# KiCad board Marble.kicad_pcb (continued)
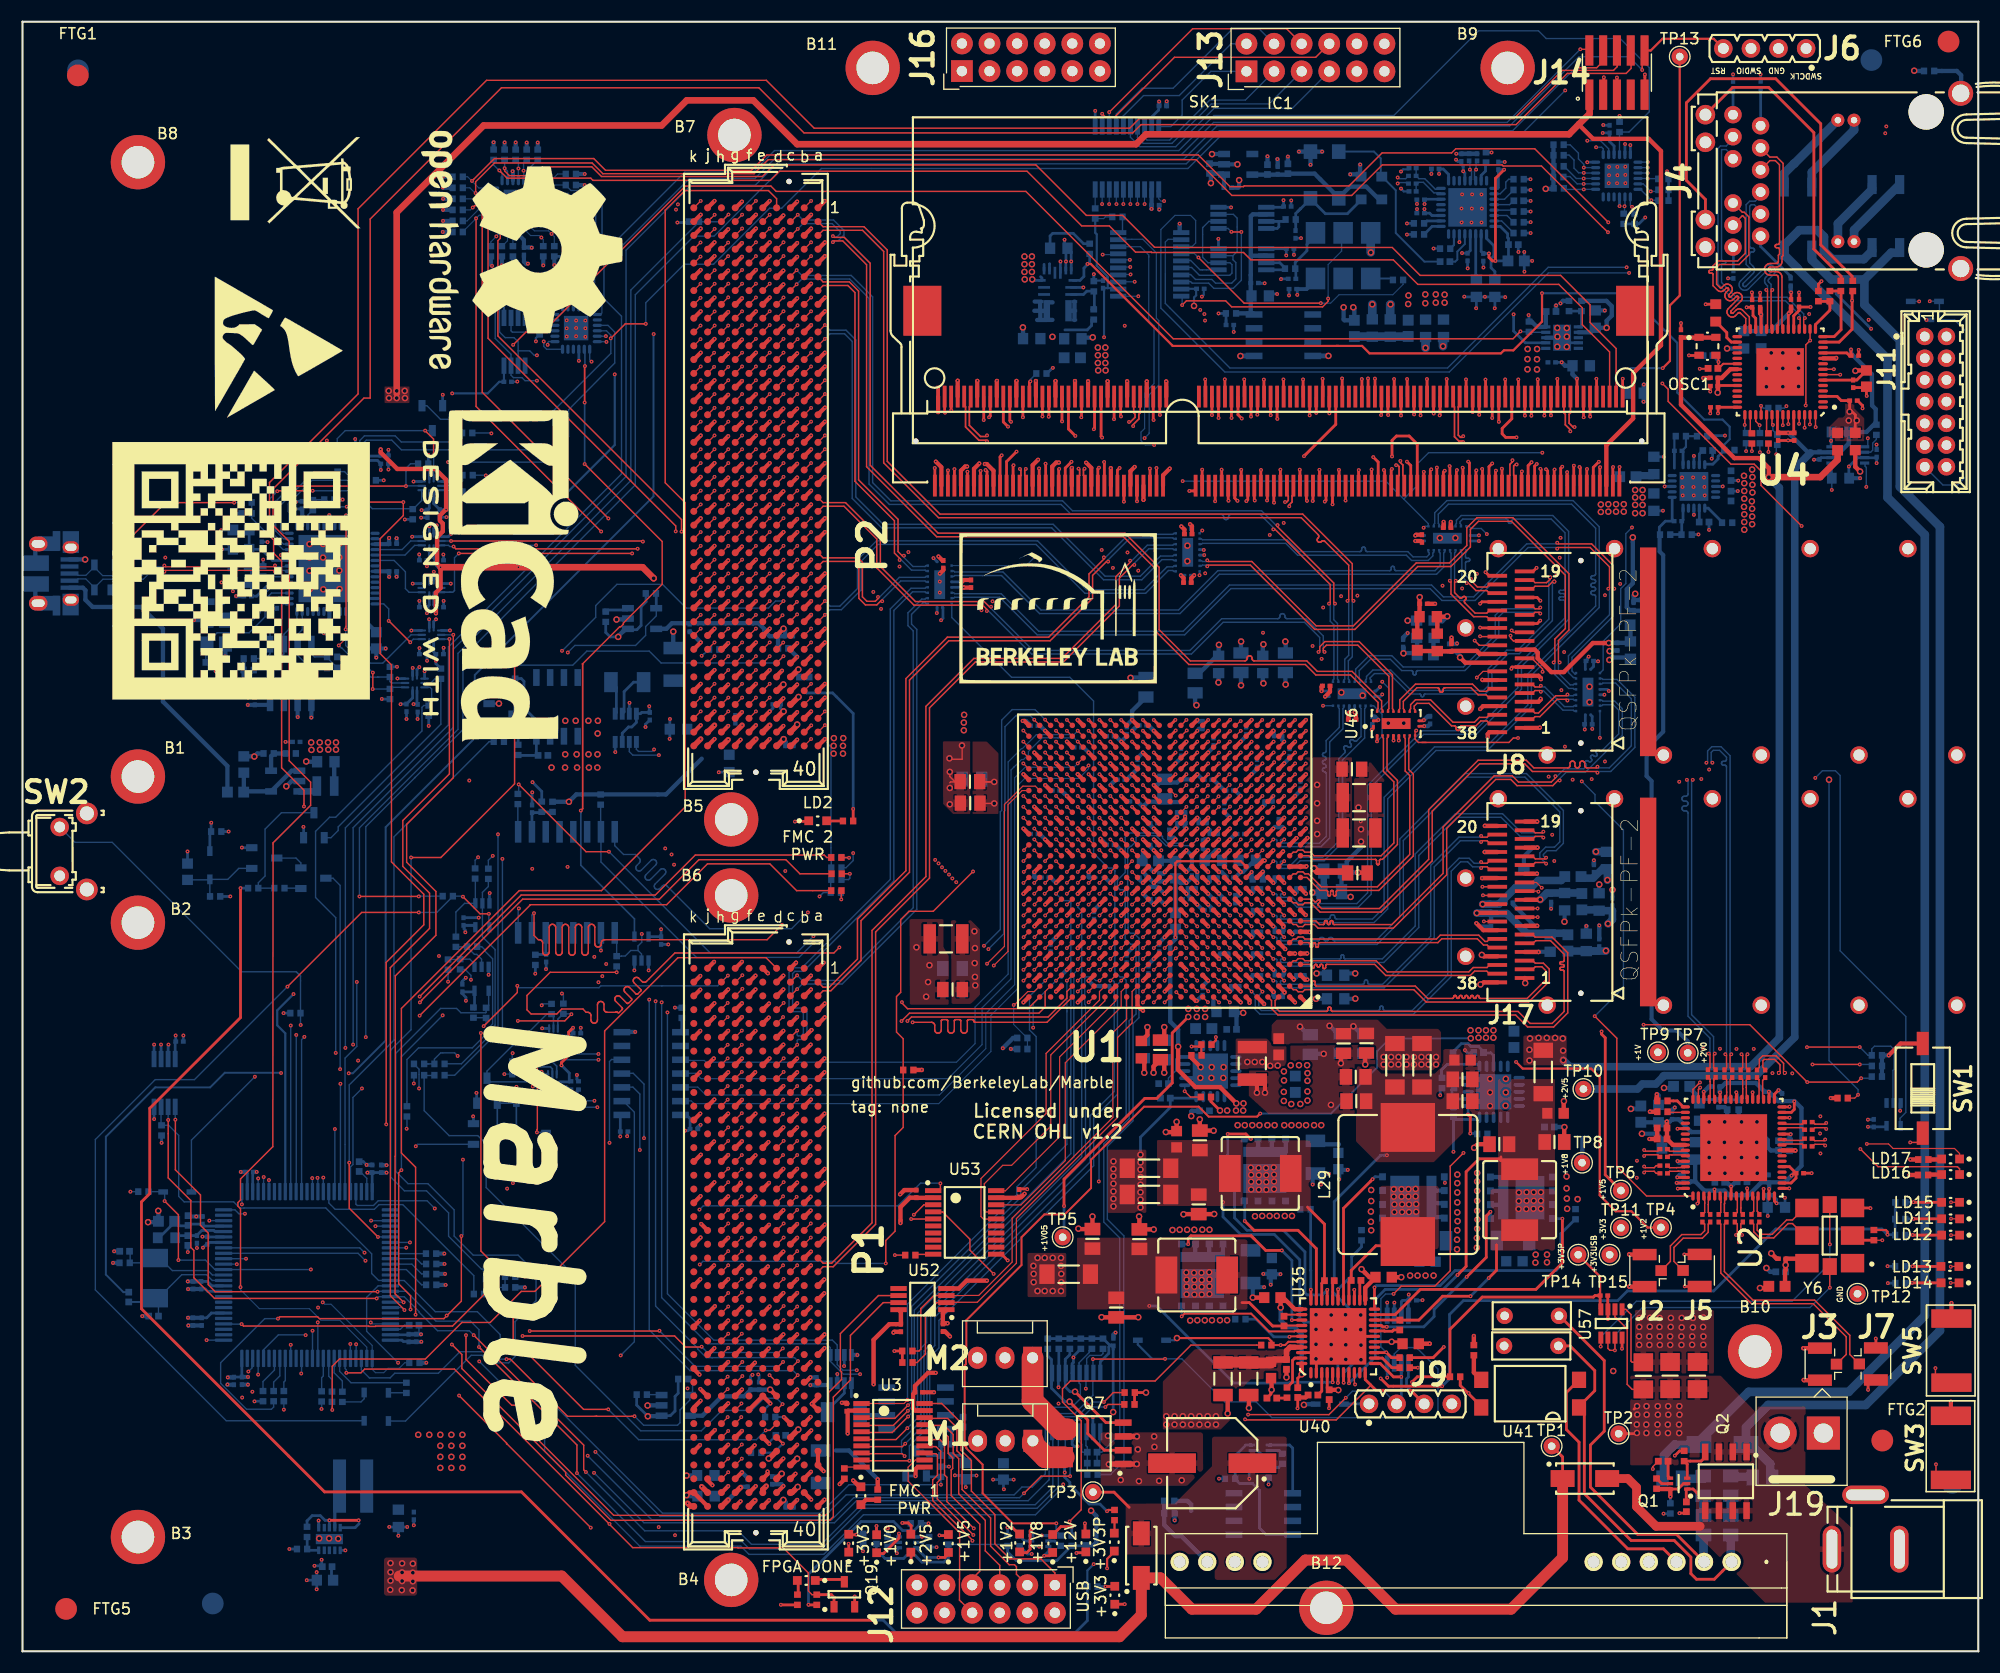
[diagram p0: board, top side]
## Routing (per net, layer and track width the routed paths; a pad name or vN(x,y) marks a point on that pad's centre or on a via; arc(x,y) is an arc through that point) (continued)
FMC2_LA_17_N: length 64
  Top w0.11: U1.F23 v1(95.12,64.73)
  Top w0.112: P2.D21 v1(70.04,108.11)
  In4.Cu w0.1: v1(95.12,64.73) 95.34,64.95 95.34,65.04 95.3,65.08 94.82,65.08 94.47,65.44 94.47,65.89 94.27,66.08 93.31,66.08 91.6,66.09 90.35,67.34 90.35,73.52 87.8,76.07 81.62,76.07 81.12,76.57 81.12,88.91 75.53,94.49 75.53,107 73.94,108.6 70.53,108.6 v1(70.04,108.11)
FMC2_LA_17_P: length 64.5
  Top w0.11: U1.G22 v1(96.12,65.73)
  Top w0.112: P2.D20 v1(70.04,109.38)
  In4.Cu w0.1: v1(96.12,65.73) 95.76,65.37 94.94,65.37 94.76,65.56 94.76,66.01 94.39,66.37 93.43,66.37 91.72,66.38 90.64,67.46 90.64,73.64 87.92,76.36 81.74,76.36 81.41,76.69 81.41,89.03 75.82,94.61 75.82,107.12 74.06,108.89 70.53,108.89 v1(70.04,109.38)
FMC2_LA_18_N: length 59.4
  Top w0.11: U1.F24 v1(94.12,64.73)
  Top w0.112: P2.C23 v1(71.31,105.57)
  In4.Cu w0.1: v1(94.12,64.73) 93.76,65.09 90.85,65.09 89.15,66.78 89.15,72.94 87.32,74.78 81.11,74.78 79.84,76.05 79.84,87.01 74.4,92.45 74.4,105.5 73.85,106.06 71.8,106.06 v1(71.31,105.57)
FMC2_LA_18_P: length 59.4
  Top w0.11: v1(94.12,65.73) 94.12,65.73 U1.G24
  Top w0.112: P2.C22 v1(71.31,106.84)
  In4.Cu w0.1: v1(71.31,106.84) 71.8,106.35 73.97,106.35 74.69,105.62 74.69,92.57 80.13,87.13 80.13,76.17 81.23,75.07 87.44,75.07 89.44,73.06 89.44,66.9 90.97,65.38 93.76,65.38 v1(94.12,65.73)
FMC2_LA_19_N: length 64.5
  Top w0.11: U1.J23 v1(95.12,67.73)
  Top w0.112: P2.H23 v1(64.96,105.57)
  In2.Cu w0.1: v1(95.12,67.73) 94.76,68.09 85.25,68.09 78.87,74.47 78.11,74.47 75.41,77.17 75.41,79.57 76.25,80.41 76.25,84.6 74.39,86.46 74.39,105.44 73.77,106.06 65.45,106.06 v1(64.96,105.57)
FMC2_LA_19_P: length 64.5
  Top w0.11: U1.K23 v1(95.12,68.73)
  Top w0.112: P2.H22 v1(64.96,106.84)
  In2.Cu w0.1: v1(95.12,68.73) 94.76,68.38 85.37,68.38 78.99,74.76 78.23,74.76 75.7,77.29 75.7,79.45 76.54,80.29 76.54,84.72 74.68,86.58 74.68,105.56 73.89,106.35 65.45,106.35 v1(64.96,106.84)
FMC2_LA_20_N: length 63.1
  Top w0.11: v1(96.12,68.73) 96.12,68.73 U1.K22
  Top w0.112: P2.G22 v1(66.23,106.84)
  In2.Cu w0.1: v1(66.23,106.84) 66.72,107.33 74.11,107.33 75.31,106.13 75.31,87.32 77.33,85.29 77.33,77.82 86.06,69.09 95.76,69.09 v1(96.12,68.73)
FMC2_LA_20_P: length 63.1
  Top w0.11: v1(96.12,69.73) 96.12,69.73 U1.L22
  Top w0.112: P2.G21 v1(66.23,108.11)
  In2.Cu w0.1: v1(96.12,69.73) 95.76,69.38 86.18,69.38 77.62,77.94 77.62,85.41 75.6,87.44 75.6,106.25 74.23,107.62 66.72,107.62 v1(66.23,108.11)
FMC2_LA_21_N: length 62
  Top w0.11: U1.H22 v1(96.12,66.73)
  Top w0.112: P2.H26 v1(64.96,101.76)
  In7.Cu w0.1: v1(64.96,101.76) 65.45,102.25 73.85,102.25 77.41,98.69 77.41,88.12 79.23,86.31 79.23,77.41 81.45,75.19 81.45,74.23 85.59,70.09 91.81,70.09 91.82,70.09 91.83,70.09 91.84,70.09 94.41,70.09 94.41,70.09 94.83,70.09 94.83,70.09 95.41,70.09 95.41,70.09 96.27,70.09 96.47,69.89 96.47,67.08 v1(96.12,66.73)
FMC2_LA_21_P: length 61.9
  Top w0.11: U1.J21 v1(97.12,67.73)
  Top w0.112: P2.H25 v1(64.96,103.03)
  In7.Cu w0.1: v1(64.96,103.03) 65.45,102.54 73.97,102.54 77.7,98.81 77.7,88.24 79.52,86.43 79.52,77.53 81.74,75.31 81.74,74.35 85.71,70.38 91.69,70.38 91.7,70.38 91.95,70.38 91.96,70.38 94.29,70.38 94.29,70.38 94.95,70.38 94.95,70.38 95.29,70.38 95.29,70.38 96.39,70.38 96.76,70.01 96.76,67.61 96.85,67.52 96.91,67.52 v1(97.12,67.73)
FMC2_LA_22_N: length 64.9
  Top w0.11: U1.D25 v1(93.12,62.73)
  Top w0.112: P2.G25 v1(66.23,103.03)
  In2.Cu w0.1: v1(93.12,62.73) 92.76,63.09 90.73,63.09 88.07,60.43 84.58,60.43 84.24,60.76 82.52,60.76 79.16,64.13 79.16,64.47 70.43,73.19 70.43,82.34 69.27,83.51 69.27,84.32 69.06,84.53 67.11,84.53 66.77,84.87 66.77,103.46 66.71,103.52 66.33,103.52 66.23,103.41 v1(66.23,103.03)
FMC2_LA_22_P: length 64.9
  Top w0.11: U1.E25 v1(93.12,63.73)
  Top w0.112: P2.G24 v1(66.23,104.3)
  In2.Cu w0.1: v1(93.12,63.73) 92.76,63.38 90.61,63.38 87.95,60.72 84.7,60.72 84.36,61.05 82.64,61.05 79.45,64.25 79.45,64.59 70.72,73.31 70.72,82.46 69.56,83.63 69.56,84.44 69.18,84.82 67.23,84.82 67.06,84.99 67.06,103.58 66.83,103.81 66.33,103.81 66.23,103.9 v1(66.23,104.3)
FMC2_LA_23_N: length 58.3
  Top w0.11: U1.H24 v1(94.12,66.73)
  Top w0.112: P2.D24 v1(70.04,104.3)
  In2.Cu w0.1: v1(70.04,104.3) 70.53,104.79 72.74,104.79 73.07,104.45 73.07,83.66 73.4,83.34 73.4,79.4 73.95,78.85 73.95,76.58 83.44,67.08 94.27,67.08 94.49,66.86 94.49,66.76 94.46,66.73 v1(94.12,66.73)
FMC2_LA_23_P: length 58.7
  Top w0.11: U1.H23 v1(95.12,66.73)
  Top w0.112: P2.D23 v1(70.04,105.57)
  In2.Cu w0.1: v1(95.12,66.73) 94.79,66.73 94.72,66.8 94.72,67.05 94.39,67.37 83.56,67.37 74.24,76.7 74.24,78.97 73.69,79.52 73.69,83.46 73.36,83.78 73.36,104.57 72.86,105.08 70.53,105.08 v1(70.04,105.57)
FMC2_LA_24_N: length 55.1
  Top w0.11: U1.J25 v1(93.12,67.73)
  Top w0.112: P2.H29 v1(64.96,97.95)
  In7.Cu w0.1: v1(64.96,97.95) 65.45,98.44 73.99,98.44 75.44,96.98 75.44,86.65 77.1,84.98 77.1,76.44 79.34,74.2 79.34,73.13 84.38,68.09 93.29,68.09 93.47,67.9 93.47,67.79 93.41,67.73 v1(93.12,67.73)
FMC2_LA_24_P: length 55.6
  Top w0.11: U1.J24 v1(94.12,67.73)
  Top w0.112: P2.H28 v1(64.96,99.22)
  In7.Cu w0.1: v1(64.96,99.22) 65.45,98.73 74.11,98.73 75.73,97.1 75.73,86.77 77.39,85.1 77.39,76.56 79.63,74.32 79.63,73.25 84.5,68.38 93.41,68.38 93.76,68.02 93.76,67.79 93.83,67.73 v1(94.12,67.73)
FMC2_LA_25_N: length 66.7
  Top w0.11: U1.D24 v1(94.12,62.73)
  Top w0.112: P2.G28 v1(66.23,99.22)
  In2.Cu w0.1: v1(66.23,99.22) 66.23,99.6 66.12,99.71 65.87,99.71 65.71,99.55 65.71,83.5 66.51,82.71 68.9,82.71 69.45,82.16 69.45,70.57 70.1,69.92 72.08,69.92 82.89,59.11 87.67,59.11 89.94,61.37 94.38,61.37 94.47,61.47 94.47,62.38 v1(94.12,62.73)
FMC2_LA_25_P: length 68.2
  Top w0.11: U1.D23 v1(95.12,62.73)
  Top w0.112: P2.G27 v1(66.23,100.49)
  In2.Cu w0.1: v1(66.23,100.49) 66.23,100.1 66.12,100 65.75,100 65.42,99.67 65.42,83.38 66.39,82.42 68.78,82.42 69.16,82.04 69.16,70.45 69.98,69.63 71.96,69.63 82.77,58.82 87.79,58.82 90.06,61.08 94.5,61.08 94.76,61.35 94.76,62.38 v1(95.12,62.73)
FMC2_LA_26_N: length 55.1
  Top w0.11: 92.61,64.23 92.13,63.74
  Top w0.112: P2.D27 v1(70.04,100.49)
  In2.Cu w0.1: v1(70.04,100.49) 70.04,100.88 70.13,100.98 70.32,100.98 70.55,100.75 70.55,83.56 71.29,82.83 71.29,77.49 71.87,76.91 71.87,73.93 81.91,63.89 89.41,63.89 89.61,64.09 92.31,64.09 92.35,64.05 92.35,63.96 92.13,63.74
  vias: v1(92.13,63.73)
FMC2_LA_26_P: length 55.5
  Top w0.11: v1(93.14,64.73) 93.62,65.21 93.62,65.24
  Top w0.112: P2.D26 v1(70.04,101.76)
  In2.Cu w0.1: v1(93.14,64.73) 92.78,64.38 89.49,64.38 89.29,64.18 82.03,64.18 72.16,74.05 72.16,77.03 71.58,77.61 71.58,82.95 70.82,83.71 70.82,100.98 v1(70.04,101.76)
FMC2_LA_27_N: length 57.7
  Top w0.11: U1.G21 v1(97.12,65.73)
  Top w0.112: P2.C27 v1(71.31,100.49)
  In2.Cu w0.1: v1(97.12,65.73) 96.76,66.09 89.89,66.09 89.24,65.43 83.17,65.43 76.47,72.12 75.61,72.12 73.02,74.71 73.02,77.72 72.29,78.45 72.29,83.12 71.78,83.62 71.78,87.5 71.9,87.62 71.9,90.59 71.78,90.71 71.78,100.83 71.64,100.98 71.41,100.98 71.31,100.87 v1(71.31,100.49)
FMC2_LA_27_P: length 57.7
  Top w0.11: U1.H21 v1(97.12,66.73)
  Top w0.112: P2.C26 v1(71.31,101.76)
  In2.Cu w0.1: v1(97.12,66.73) 96.76,66.38 89.77,66.38 89.12,65.72 83.29,65.72 76.59,72.41 75.73,72.41 73.31,74.83 73.31,77.84 72.58,78.57 72.58,83.24 72.07,83.74 72.07,87.38 72.19,87.5 72.19,90.71 72.07,90.83 72.07,100.95 71.76,101.27 71.42,101.27 71.31,101.38 v1(71.31,101.76)
FMC2_LA_28_N: length 53.1
  Top w0.11: 92.64,66.24 92.64,66.23 v1(92.14,65.73)
  Top w0.112: P2.H32 v1(64.96,94.14)
  In7.Cu w0.1: v1(92.14,65.73) 92.4,65.73 92.49,65.82 92.49,65.92 92.33,66.08 89.03,66.08 88.41,65.46 84.03,65.46 77.32,72.17 75.94,72.17 73.71,74.41 73.71,81.12 73.07,81.76 73.07,93.07 72.82,93.31 67.19,93.31 66.76,93.74 66.76,94.21 66.35,94.63 65.45,94.63 v1(64.96,94.14)
FMC2_LA_28_P: length 53.6
  Top w0.11: v1(93.14,65.73) 93.64,66.23 93.64,66.24
  Top w0.112: P2.H31 v1(64.96,95.41)
  In7.Cu w0.1: v1(64.96,95.41) 65.45,94.92 66.47,94.92 67.05,94.33 67.05,93.86 67.31,93.6 72.95,93.6 73.36,93.19 73.36,81.88 74,81.24 74,74.53 76.06,72.46 77.44,72.46 84.15,65.75 88.29,65.75 88.91,66.37 92.45,66.37 92.78,66.04 92.78,65.78 92.83,65.73 v1(93.14,65.73)
FMC2_LA_29_N: length 50.5
  Top w0.11: 92.62,67.21 92.61,67.21 v1(92.13,66.73)
  Top w0.112: P2.G31 v1(66.23,95.41)
  In7.Cu w0.1: v1(92.13,66.73) 91.77,67.08 83.85,67.08 75.74,75.19 75.74,80.98 76.14,81.38 76.14,84.54 74.56,86.12 74.56,92.99 74.12,93.43 73.61,93.43 73.16,93.88 73.16,94.4 72.87,94.69 68.26,94.69 67.89,95.06 67.89,95.62 67.62,95.9 66.72,95.9 v1(66.23,95.41)
FMC2_LA_29_P: length 50.5
  Top w0.11: 92.61,68.22 v1(92.13,67.73)
  Top w0.112: P2.G30 v1(66.23,96.68)
  In7.Cu w0.1: v1(92.13,67.73) 91.77,67.37 83.97,67.37 76.03,75.31 76.03,80.86 76.43,81.26 76.43,84.66 74.85,86.24 74.85,93.11 74.24,93.72 73.73,93.72 73.45,94 73.45,94.52 72.99,94.98 68.38,94.98 68.18,95.18 68.18,95.74 67.74,96.19 66.72,96.19 v1(66.23,96.68)
FMC2_LA_30_N: length 50.4
  Top w0.11: v1(92.13,61.73) 92.6,62.21 92.62,62.21
  Top w0.112: P2.H35 v1(64.96,90.33)
  In7.Cu w0.1: v1(92.13,61.73) 91.77,62.08 88.53,62.08 88.05,62.56 86.01,62.56 85.68,62.23 82.89,62.23 71.54,73.59 71.54,77.72 70.59,78.68 70.59,90.08 69.85,90.82 65.45,90.82 v1(64.96,90.33)
FMC2_LA_30_P: length 50.1
  Top w0.11: 92.62,63.22 v1(92.13,62.73)
  Top w0.112: P2.H34 v1(64.96,91.6)
  In7.Cu w0.1: v1(64.96,91.6) 65.45,91.11 69.97,91.11 70.82,90.26 70.82,78.85 71.83,77.84 71.83,73.71 83.01,62.52 85.56,62.52 85.89,62.85 88.17,62.85 88.29,62.73 v1(92.13,62.73)
FMC2_LA_31_N: length 55.6
  Top w0.11: U1.E22 v1(96.12,63.73)
  Top w0.112: P2.G34 v1(66.23,91.6)
  In7.Cu w0.1: v1(96.12,63.73) 96.47,64.09 96.47,64.98 96.37,65.09 91.18,65.09 90,63.91 83.87,63.91 76.97,70.82 75.9,70.82 72.58,74.14 72.58,78.56 71.8,79.34 71.8,87.52 71.9,87.62 71.9,90.59 71.8,90.69 71.8,91.8 71.52,92.09 66.72,92.09 v1(66.23,91.6)
FMC2_LA_31_P: length 56.1
  Top w0.11: U1.E21 v1(97.12,63.73)
  Top w0.112: P2.G33 v1(66.23,92.87)
  In7.Cu w0.1: v1(66.23,92.87) 66.72,92.38 71.64,92.38 72.09,91.92 72.09,90.81 72.19,90.71 72.19,87.5 72.09,87.4 72.09,79.46 72.87,78.68 72.87,74.26 76.02,71.11 77.09,71.11 83.99,64.2 89.88,64.2 91.06,65.38 96.49,65.38 96.76,65.1 96.76,64.09 v1(97.12,63.73)
FMC2_LA_32_N: length 55.7
  Top w0.11: 98.63,60.24 98.62,60.24 v1(98.12,59.74)
  Top w0.112: P2.H38 v1(64.96,86.52)
  In7.Cu w0.1: v1(98.12,59.74) 97.77,60.09 89.84,60.09 89.09,59.35 82.05,59.35 72.44,68.95 70.62,68.95 68.58,70.98 68.58,82.51 68.07,83.02 68.07,86.53 67.6,87.01 65.45,87.01 v1(64.96,86.52)
FMC2_LA_32_P: length 55.7
  Top w0.11: v1(98.12,60.74) 98.62,61.24 98.63,61.24
  Top w0.112: P2.H37 v1(64.96,87.79)
  In7.Cu w0.1: v1(64.96,87.79) 65.45,87.3 67.72,87.3 68.36,86.65 68.36,83.14 68.87,82.63 68.87,71.1 70.74,69.24 72.56,69.24 82.17,59.64 88.97,59.64 89.72,60.38 94.95,60.38 94.95,60.38 97.77,60.38 v1(98.12,60.74)
FMC2_LA_33_N: length 52.9
  Top w0.11: U1.B21 97.13,60.74 v1(97.12,60.74)
  Top w0.112: v1(66.23,87.79) P2.G37 65.59,87.18
  In7.Cu w0.1: v1(97.12,60.74) 96.77,61.09 89.3,61.09 88.56,60.35 85.68,60.35 85.24,60.8 82.38,60.8 74.78,68.39 74.78,68.82 69.77,73.82 69.77,82.85 69.28,83.34 69.28,87.9 68.91,88.28 66.72,88.28 v1(66.23,87.79)
FMC2_LA_33_P: length 52.9
  Top w0.11: U1.C21 v1(97.12,61.73)
  Top w0.112: v1(66.23,89.06) P2.G36 65.62,88.42
  In7.Cu w0.1: v1(66.23,89.06) 66.72,88.57 69.03,88.57 69.57,88.02 69.57,83.46 70.06,82.97 70.06,73.94 75.07,68.94 75.07,68.51 82.5,61.09 85.36,61.09 85.8,60.64 88.44,60.64 89.18,61.38 96.77,61.38 v1(97.12,61.73)
MGTAVCC: length 33.2
  Top w0.254: v1(95.86,40.99) 95.86,43.46 103.29,50.89 104.39,50.89 105.81,52.31 105.81,56.91 v2(107.29,58.39)
  Top w0.381: U1.G6 v1(113.12,65.73) ; U1.L6 v1(113.12,69.73) ; U1.J6 v1(113.12,67.73) ; v1(113.1,61.73) 113.1,61.75 U1.C6 ; v1(113.04,63.77) 113.04,63.81 U1.E6
  Bottom w0.254: TP5.1 95.86,38.24 v1(95.86,40.99)
  Bottom w0.381: C219.1 113.27,67.88 v1(113.12,67.73) ; v1(113.12,69.73) 113.27,69.88 C381.1 ; v1(113.12,65.73) 113.27,65.88 C4.1 ; C217.1 113.27,64 v1(113.04,63.77) ; v1(113.1,61.73) 113.1,62.07 C221.1
  Bottom w0.4: 109.87,58.77 109.87,58.83 109.6,59.1 109.6,59.91
  vias: v2(107.29,59.13) v2(108.08,59.13) v2(108.08,58.39) v2(108.84,59.13) v2(108.84,58.39)
MGTAVTT: length 99.4
  Top w0.178: v1(113.91,49.5) 113.63,49.22 109.17,49.22 108.25,50.13 103.22,50.13 98.35,45.25 98.35,42.64 95.92,40.21 94.04,40.21 91.95,38.12 91.95,35.56 86.87,30.48 86.87,27.64 86.83,27.6 86.83,26.43 86.71,26.32 86.71,18.92 86.87,18.77 86.87,18.68 88.36,17.19 88.36,14.54 91.13,11.78 v1(95.15,11.78)
  Top w0.381: U1.M3 v1(116.12,70.73) ; U1.L2 v1(117.12,69.73) ; U1.D3 116.12,62.73 116.12,62.7 v1(116.1,62.68) ; U1.G2 116.64,66.23 v1(116.87,65.99) ; U1.M5 113.87,71.48 113.87,71.48 114.13,71.74 ; v1(116.15,60.64) 116.15,60.7 U1.B3 ; U1.H3 116.05,66.8 v1(116.05,66.68) ; U1.C2 117,61.85 v1(117,61.83)
  Bottom w0.178: v1(95.15,11.78) 95.15,11.05 R253.1 ; v2(133.29,56.42) 125.85,56.42 124.67,55.25 124.67,53.74 120.43,49.5 v1(113.91,49.5)
  Bottom w0.381: v1(116.12,70.73) 115.97,70.88 C380.1 ; v1(117.12,69.73) 117.27,69.88 C234.1 ; v1(116.87,65.99) 117.11,66.23 C232.1 ; C225.1 v2(119.05,60.06) ; v1(117,61.83) 117.27,62.1 C230.1 ; 120.05,62.4 v2(119.1,62.4)
  Bottom w0.4: C236.1 115.97,60.45 v1(116.15,60.64) ; C238.1 116.1,62.36 v1(116.1,62.68) ; v1(114.16,71.77) 114.16,71.77 R161.2 ; C228.1 116.05,66.31 v1(116.05,66.68)
  vias: v2(133.27,57.16) v2(134,57.16) v2(134,56.47) v2(134.69,57.16) v2(134.69,56.47) v2(135.38,57.16) v2(135.38,56.47)
VTT_DDR3: length 35.7
  Top w0.2: TP13.1 152.52,124.79 151.62,123.89 151.62,118.77 v1(150.96,118.11)
  Top w0.254: SK1.204 147.27,117.12 v1(147.28,117.14) ; v1(146.99,109.01) 146.97,108.99 SK1.203
  Bottom w0.2: v1(150.96,118.11) 147.99,118.11
Net-(C28-Pad1): length 5.1
  Top w0.4: L19.2 162.22,35.04 162.27,35.09 v2(162.27,35.55) 162.27,36.11 C29.1 163.82,36.13 Y6.6
  Bottom w0.4: v2(162.27,35.55) 162.27,35.09
Net-(C38-Pad1): length 3.7
  Bottom w0.254: R225.2 47.8,77.26 R224.2 47.72,77.2 C38.1 46.89,77.19 U30.2
Net-(C39-Pad1): length 3
  Bottom w0.254: R227.2 47.24,64.15 C39.1 48.16,64.18 U30.14
Net-(C42-Pad2): length 16.7
  Top w0.254: C48.1 164.56,123.74 v1(164.56,123.74) ; 159.27,123.69 159.27,122.94 159.52,122.69 U4.26 ; U4.3 167,115.51 167.4,115.12 C46.1 168.16,114.33 168.69,113.8 168.69,113.33 168.68,113.32 C42.2 ; U4.19 163.02,122.93 163.51,123.42 163.51,123.56 ; 156.04,116.52 156.04,116.51 U4.38 ; C52.1 158.68,123.71 v1(158.68,123.71)
  Top w0.4: U4.35 157.18,118.01 156.37,117.2 156.04,117.2 156.04,115.88 v2(156.02,115.86)
  vias: v2(168.08,113.29) v2(168.16,114.11) v2(168.82,113.29)
Net-(C47-Pad2): length 11.2
  Top w0.254: U4.20 162.52,123.1 v1(162.57,123.16) ; 162.72,123.68 C51.1 ; U4.25 160.02,122.88 160,122.89 v1(160,123.07) 160,123.69
  Top w0.4: C51.1 162.77,123.35 v1(162.57,123.16) ; v1(160,123.07) 159.92,123.15 C49.1
  Bottom w0.4: C47.2 160.02,123.06 v1(160,123.07) ; C47.2 160,121.52 L4.2 ; C47.2 160.95,121.53 v1(162.57,123.16)
Net-(C58-Pad1): length 2.4
  Bottom w0.254: J4.7 157.43,141.45 C58.1
Net-(C59-Pad1): length 3.4
  Bottom w0.254: J4.1 159.97,140.43 C59.1
Net-(C60-Pad1): length 5.1
  Bottom w0.254: 162.71,126.57 159.97,129.31 J4.6 160.13,130.11
  Bottom w0.4: 162.71,126.52 162.71,126.57
Net-(C71-Pad2): length 3.8
  Bottom w0.2: C71.2 153.1,110.87 R69.2 R68.1
  Bottom w0.254: U47.16 152.83,110.4 C71.2
Net-(C73-Pad1): length 1.4
  Bottom w0.254: U47.19 154.33,110.21 C73.1
Net-(C75-Pad2): length 3.7
  Bottom w0.254: U47.10 152.83,104.15 C75.2 152.71,104.02 152.71,102.81 151.58,102.81 151.5,102.88
Net-(C77-Pad2): length 1.3
  Bottom w0.254: U47.7 154.33,103.96 C77.2
Net-(C93-Pad1): length 10.4
  Bottom w0.127: 12.19,36.26 11.69,35.75 9.92,35.75 9.9,35.77 9.9,36.82 ; U54.13 17.47,34.64 17.07,35.04 13.79,35.04 12.38,36.45
Net-(C102-Pad1): length 11.7
  Bottom w0.127: 12.37,32.38 14.65,34.66 16.94,34.66 17.46,34.14 U54.12 ; 11.79,32.15 12.19,32.56 12.51,32.23 C92.1
  Bottom w0.178: C102.1 11.79,32.15
Net-(C106-Pad1): length 14.4
  Bottom w0.4: U19.2 113.23,132.27 113.04,132.09 113.04,126.68 113.04,126.67 113.04,123.03
  Bottom w0.402: 114.48,128.47 U16.2 114.26,128.46 114.26,128.46 113.04,128.46 ; 113.76,123.05 U14.8 113.25,123.15 R58.1 ; 113.11,124.95 113.33,124.73
Net-(C107-Pad1): length 13.8
  Bottom w0.402: U13.5 116.37,135.92 C107.1 118.92,136.02 121.14,133.8 ; 121.14,133.8 Y2.4 ; 121.14,133.8 122.17,134.82 123.67,134.82 125.01,133.49 125.01,133.45
Net-(C111-Pad1): length 5
  Bottom w0.802: L12.1 127.52,121.01 L11.2
Net-(C114-Pad1): length 16.7
  Bottom w0.178: Y2.3 124.38,138.05 125.01,137.42 125.01,135.87 126.39,134.48 126.39,130.55 129.02,127.92 C114.1
Net-(C114-Pad2): length 3.4
  Bottom w0.178: U20.21 132.75,129.54 132.06,128.85 132.06,128.11 131.86,127.92 C114.2
Net-(C120-Pad1): length 4.2
  Bottom w0.254: C120.1 133.75,126.33 U20.19
Net-(C121-Pad1): length 4.7
  Bottom w0.254: U20.17 134.75,130.05 135.41,129.38 135.41,128.43 135.16,128.18 135.16,127.35 135.51,127 C121.1
Net-(C123-Pad1): length 20
  Top w0.254: v1(134.97,128.67) 134.97,128.31 135.29,127.98 v1(135.56,127.98) 135.56,135.58 v1(136.36,136.38)
  Bottom w0.254: U20.16 136,131.16 136.68,130.48 136.68,130.13 136.76,130.05 C123.1 136.76,128.03 L26.1 v1(135.56,127.98) ; U20.9 135.75,134.66 135.83,134.74 C210.1 136.36,136.38 v1(136.36,136.38) ; v1(134.97,128.67) 134.96,128.66 C126.1 134.25,128.86 U20.18
Net-(C127-Pad1): length 12.8
  Top w0.254: U35.4 120.08,24.25 C140.1 ; C127.1 126.83,28.49 U35.16
  Top w0.4: v2(121.1,24.04) 121.08,24.07 C140.1
  In2.Cu w0.4: v2(126.01,28.49) 126.01,26.94 123.11,24.04 v2(121.1,24.04)
Net-(C128-Pad1): length 14
  Top w0.254: 153.12,13.62 153.12,14.84 Q1.1 153.75,14.93 154.26,14.43
  Top w0.8: D4.2 147.74,15.9 148.55,15.09 148.55,13.31 150.35,11.51 154.41,11.51
Net-(C129-Pad1): length 132.7
  Top w0.254: D4.1 141.74,17.89 140.75,18.88 ; 140.74,18.56 140.84,18.56
  Top w1: D4.1 141.74,8.62 137,3.88 126.37,3.88 121.85,8.4 118.06,8.4 113.54,3.88 107.62,3.88 104.74,6.75 D12.1 102.97,3.34 100.96,1.34 55.22,1.34 49.63,6.92 34.67,6.92
  Bottom w0.254: 28.44,7.86 28.44,6.69 C129.1
  vias: v2(33.87,8.12) v2(33.87,7.28) v2(33.87,6.49) v2(33.84,5.65) v2(34.93,8.09) v2(34.93,7.25) v2(34.93,6.47) v2(34.91,5.63) v2(35.93,8.07) v2(35.93,7.23) v2(35.93,6.44) v2(35.9,5.6)
Net-(C134-Pad2): length 3.6
  Bottom w0.254: C134.2 86.38,20.46 Q16.4 85.37,20.46 85.51,20.32 R213.2
Net-(C135-Pad2): length 3.7
  Bottom w0.254: Q23.4 47.29,82.62 C135.2 45.65,82.46 R214.2
Net-(C138-Pad2): length 2.2
  Top w0.254: C138.2 119.58,23.95 U35.3
Net-(C143-Pad1): length 31.7
  Top w0.2: v1(137.46,54.24) 138.07,53.64 144.37,53.64 145.16,52.85 145.16,41.98 146.63,40.5 148.08,40.5 149.58,39 TP4.1
  Bottom w0.13: 135.41,54.14 135.33,54.21
  Bottom w0.254: 131.65,55.16 132.42,55.93 133.04,55.93 133.31,55.67 134.02,55.67 134.47,55.22 134.47,55.09 135.15,55.09 135.39,54.84 U36.18
Net-(C144-Pad1): length 26.6
  Top w0.254: C362.1 117.37,25.14 v2(117.73,25.49)
  Top w0.4: v2(123.24,35.17) 123.97,34.43 C361.1 124.52,34.41 123.58,33.47 U35.23 123.58,32.57 ; v2(115.8,31.64) 115.8,32.54 C144.1 116.02,32.55 117.09,31.49 U35.34 117.35,31.49 ; v2(117.73,25.49) 117.73,25.49 U35.44
  In2.Cu w0.4: v2(115.8,31.64) 119.33,35.17 v2(123.24,35.17)
  Bottom w0.4: v2(117.73,25.49) 117.73,29.18 117.07,29.84 116.43,29.84 115.8,30.47 v2(115.8,31.64)
Net-(C162-Pad1): length 7.7
  Bottom w0.4: C162.1 20.37,79.1 L10.2 20.42,79.15 U22.4 24.78,81.05 U22.1
Net-(C165-Pad1): length 9.7
  Bottom w0.127: C165.1 18.28,95.32 Y4.1 21.2,94.92 21.89,95.61 21.89,96.74 22.08,96.93 22.08,97.13 22.86,97.91 U23.4
Net-(C167-Pad1): length 7.5
  Bottom w0.127: C167.1 20.86,98.71 21.07,98.91
  Bottom w0.254: L24.2 21.07,99.71 C174.1 21.55,97.12 22.84,98.41 U23.5
Net-(C168-Pad1): length 5.9
  Bottom w0.254: U23.9 23.01,100.41 21.98,101.44 C168.1 L25.2
Net-(C171-Pad1): length 12.2
  Bottom w0.127: U23.3 22.92,97.41 22.32,96.82 22.32,95.22 20.86,93.75 17.91,93.75 16.98,92.82 Y4.3 16.87,92.61 C171.1
Net-(C188-Pad2): length 6.6
  Bottom w0.127: C188.2 C189.2 98,16.28 R129.2 97.88,16.4 ; C188.2 97.56,18.33 97.48,18.41 97.48,19.06 97.24,19.3 97.24,20.2 ; C188.2 98,18.81 97.88,18.93 97.88,20.2
Net-(C307-Pad2): length 1.9
  Bottom w0.127: C307.2 35.15,30.01 34.78,29.64 U54.73
Net-(C308-Pad1): length 4.7
  Bottom w0.254: U54.21 17.71,38.64 17.6,38.74 16.5,38.74 16.05,38.29 C310.1 15.21,38.26 15.21,38.26 14.33,38.26 14.13,38.07
Net-(C309-Pad2): length 2.2
  Bottom w0.127: C309.2 31.05,44.17 31.68,43.54 31.68,42.31
Net-(C322-Pad2): length 44.6
  Top w0.254: U2.63 152.26,43.11 v1(152.24,43.12) ; U2.59 152.34,45.11 v1(152.32,45.13) ; U2.31 162.8,49.61 163.07,49.88 v1(163.07,50.61) ; 162.36,44.61 U2.21 162.62,44.61 C323.1 ; C323.1 163.22,43.55 162.78,43.11 U2.18 ; C323.1 163.04,44.01 v1(162.81,43.78) ; v1(156.23,51.45) 156.24,51.44 U2.43 ; U2.5 155.74,42.5 v1(155.72,42.51) ; v1(160.73,51.5) 160.74,51.49 U2.34 ; U2.15 160.74,42.55 v1(160.75,42.56)
  Bottom w0.4: v1(152.32,45.13) 152.47,44.97 153.65,44.97 C322.2 ; C322.2 153.95,43.25 ; C322.2 153.65,45.27 152.63,46.29 L6.2 ; 153.95,43.25 154.78,42.41 156.64,42.41 157.07,41.98 158.85,41.98 160.04,43.17 162.2,43.17 163.73,44.69 163.73,50 163.09,50.64 C357.1 161.59,50.64 v1(160.73,51.5) 160.35,51.5 159.53,52.31 156.74,52.31 156.41,51.98 C329.1 156.2,51.48 v1(156.23,51.45) ; 153.95,43.25 153.55,43.25 153.45,43.15 C325.1 152.82,43.12 v1(152.24,43.12) ; C326.1 160.75,43.1 v1(160.75,42.56)
Net-(C350-Pad1): length 8.4
  Top w0.254: 101.85,13.25 100.45,14.65 TP3.1
  Bottom w0.254: Q22.1 113.13,17.58 112.91,17.36 112.91,15.88 v1(112.91,15.88)
  Bottom w0.4: R197.1 107.24,13.83 107.56,13.51 107.56,12.91
Net-(C352-Pad1): length 2.2
  Bottom w0.254: C352.1 157.46,129.21 J4.12
Net-(C353-Pad1): length 37.2
  Top w0.254: C353.1 142.43,28.11 144.7,25.83 144.7,23.99 143.25,22.54 U41.1 ; 143.74,22.52 143.74,14.51 148.05,10.2 152.02,10.2 153.55,8.67 153.55,7.15 154.06,6.63 155.71,6.63 U40.1
  Bottom w0.8: U40.1 157.22,8.31 L39.2
Net-(C354-Pad1): length 33.8
  Top w0.254: 141.46,30.88 145.57,26.76 145.57,20.25 144.3,18.98 144.3,15.11 148.65,10.76 152.22,10.76 U40.2
  Bottom w0.8: L40.2 154.71,8.27 U40.2
Net-(C360-Pad1): length 8.2
  Bottom w0.127: Q18.1 19.9,72.07 18.89,71.06 D16.2 ; D16.2 17.2,71.01 C360.1 ; D16.2 17.24,69.23
Net-(C374-Pad1): length 4
  Top w0.178: U4.34 156.53,118.51 156.08,118.07 156.08,119.05 155.85,119.27
  Bottom w0.178: 155.63,119.26 155.63,119.14 v1(156.09,118.68)
Net-(C383-Pad1): length 0.9
  Top w0.2: v1(109.83,56.53) 109.83,56.24 R195.1
Net-(C393-Pad1): length 1.3
  Bottom w0.254: C393.1 131.78,52.79 U36.15
Net-(C394-Pad1): length 3.4
  Bottom w0.127: U37.15 106.35,54.71 106.15,54.51 106.15,53.44 105.47,52.76 C394.1
Net-(C417-Pad2): length 1.9
  Bottom w0.127: U20.12 136.87,133.16 137.23,133.52
Net-(D2-Pad2): length 25.8
  Top w0.178: U35.40 116.51,28.49 116.2,28.18 R245.1
  Top w0.2: R245.1 114.94,28.54 114.65,28.83 v2(106.25,28.83)
  In2.Cu w0.127: J9.1 121.21,22.77 v1(115.8,28.18)
  Bottom w0.2: v2(106.25,28.83) 106.05,28.63 D2.2
  Bottom w0.254: D5.2 121.64,22.77 J9.1
Net-(D6-Pad1): length 138
  Bottom w0.8: D6.1 164.68,128.08 166.49,126.27 169.52,126.27 ; 169.52,126.27 171.99,128.74 172.7,128.74 ; 169.52,126.27 169.52,123.95 172.79,120.68 172.79,107.2 176.47,103.51 176.47,29.51 169.63,22.67 160.67,22.67 158.61,20.62 D8.1 ; 160.85,15.96 160.85,17.25 159.09,19.02 158.31,19.02
Net-(D6-Pad2): length 146.5
  Bottom w0.8: D7.2 170.22,128.91 169.46,128.15 166.55,128.15 165.8,128.9 165.8,130.21 165.2,130.81 163.52,130.81 162.14,129.43 D6.2 162.14,128.53 163.37,127.31 163.37,127.25 171.65,118.97 171.65,106.2 175.08,102.77 175.08,30.89 168.07,23.88 158.87,23.88 154.01,19.02 152.06,19.02 151.08,18.04 151.08,15.95
Net-(D13-Pad4): length 48
  Top w0.127: v2(8.53,101.11) 13.15,105.73 v1(19.48,105.73)
  Top w0.254: v1(8.58,96.13) 8.53,96.18 v2(8.53,101.11)
  Bottom w0.127: R112.1 20.13,105.73 v1(19.48,105.73)
  Bottom w0.4: D13.4 8.52,101.09 v2(8.53,101.11) ; J10.1 5.55,97.9 5.79,97.67 5.79,96.79 6.45,96.13 v1(8.58,96.13) ; 18.82,79.11 18.86,79.15 18.86,81.49 12.93,87.42 12.93,94.12 10.92,96.13 v1(8.58,96.13) ; v1(8.58,96.13) 8.73,96.13
Net-(D14-Pad2): length 9.2
  Bottom w0.15: Q17.1 43.7,47.73 Q5.3 45.45,47.62 D14.2 45.45,47.89 R246.2 45.39,50.45 Q17.1
Net-(D17-Pad1): length 91
  Top w0.127: v1(40.54,69.46) 42.11,67.88 v1(42.92,67.88) ; v1(24.38,61.18) 31.21,68.01 v1(36.47,68.01)
  Bottom w0.127: D17.1 18.75,21.22 6.7,33.26 6.7,47.11 12.21,52.62 15.82,52.62 v1(24.38,61.18) ; U7.4 42.92,66.7 v1(42.92,67.88) ; v1(40.54,69.46) 40.48,69.51 R276.2 39.61,69.49 38.13,68.01 v1(36.47,68.01)
Net-(D18-Pad1): length 64.5
  Bottom w0.127: U10.4 42.9,59.47 R63.2 42.67,58.82 42.63,58.78 40.35,58.78 39.95,59.17 38.48,59.17 34.35,55.04 34.35,44.17 35.48,43.04 37.31,43.04 39.72,40.63 39.72,38.22 41.48,36.46 45.62,36.46 47.27,34.81 47.27,32.27 45.34,30.34 45.34,27.14 44.74,26.55 42.98,26.55 42.29,27.24 41.3,27.24 35.25,21.19 D18.1